# KiCad board Li-ion charger_panel.kicad_pcb (continued)
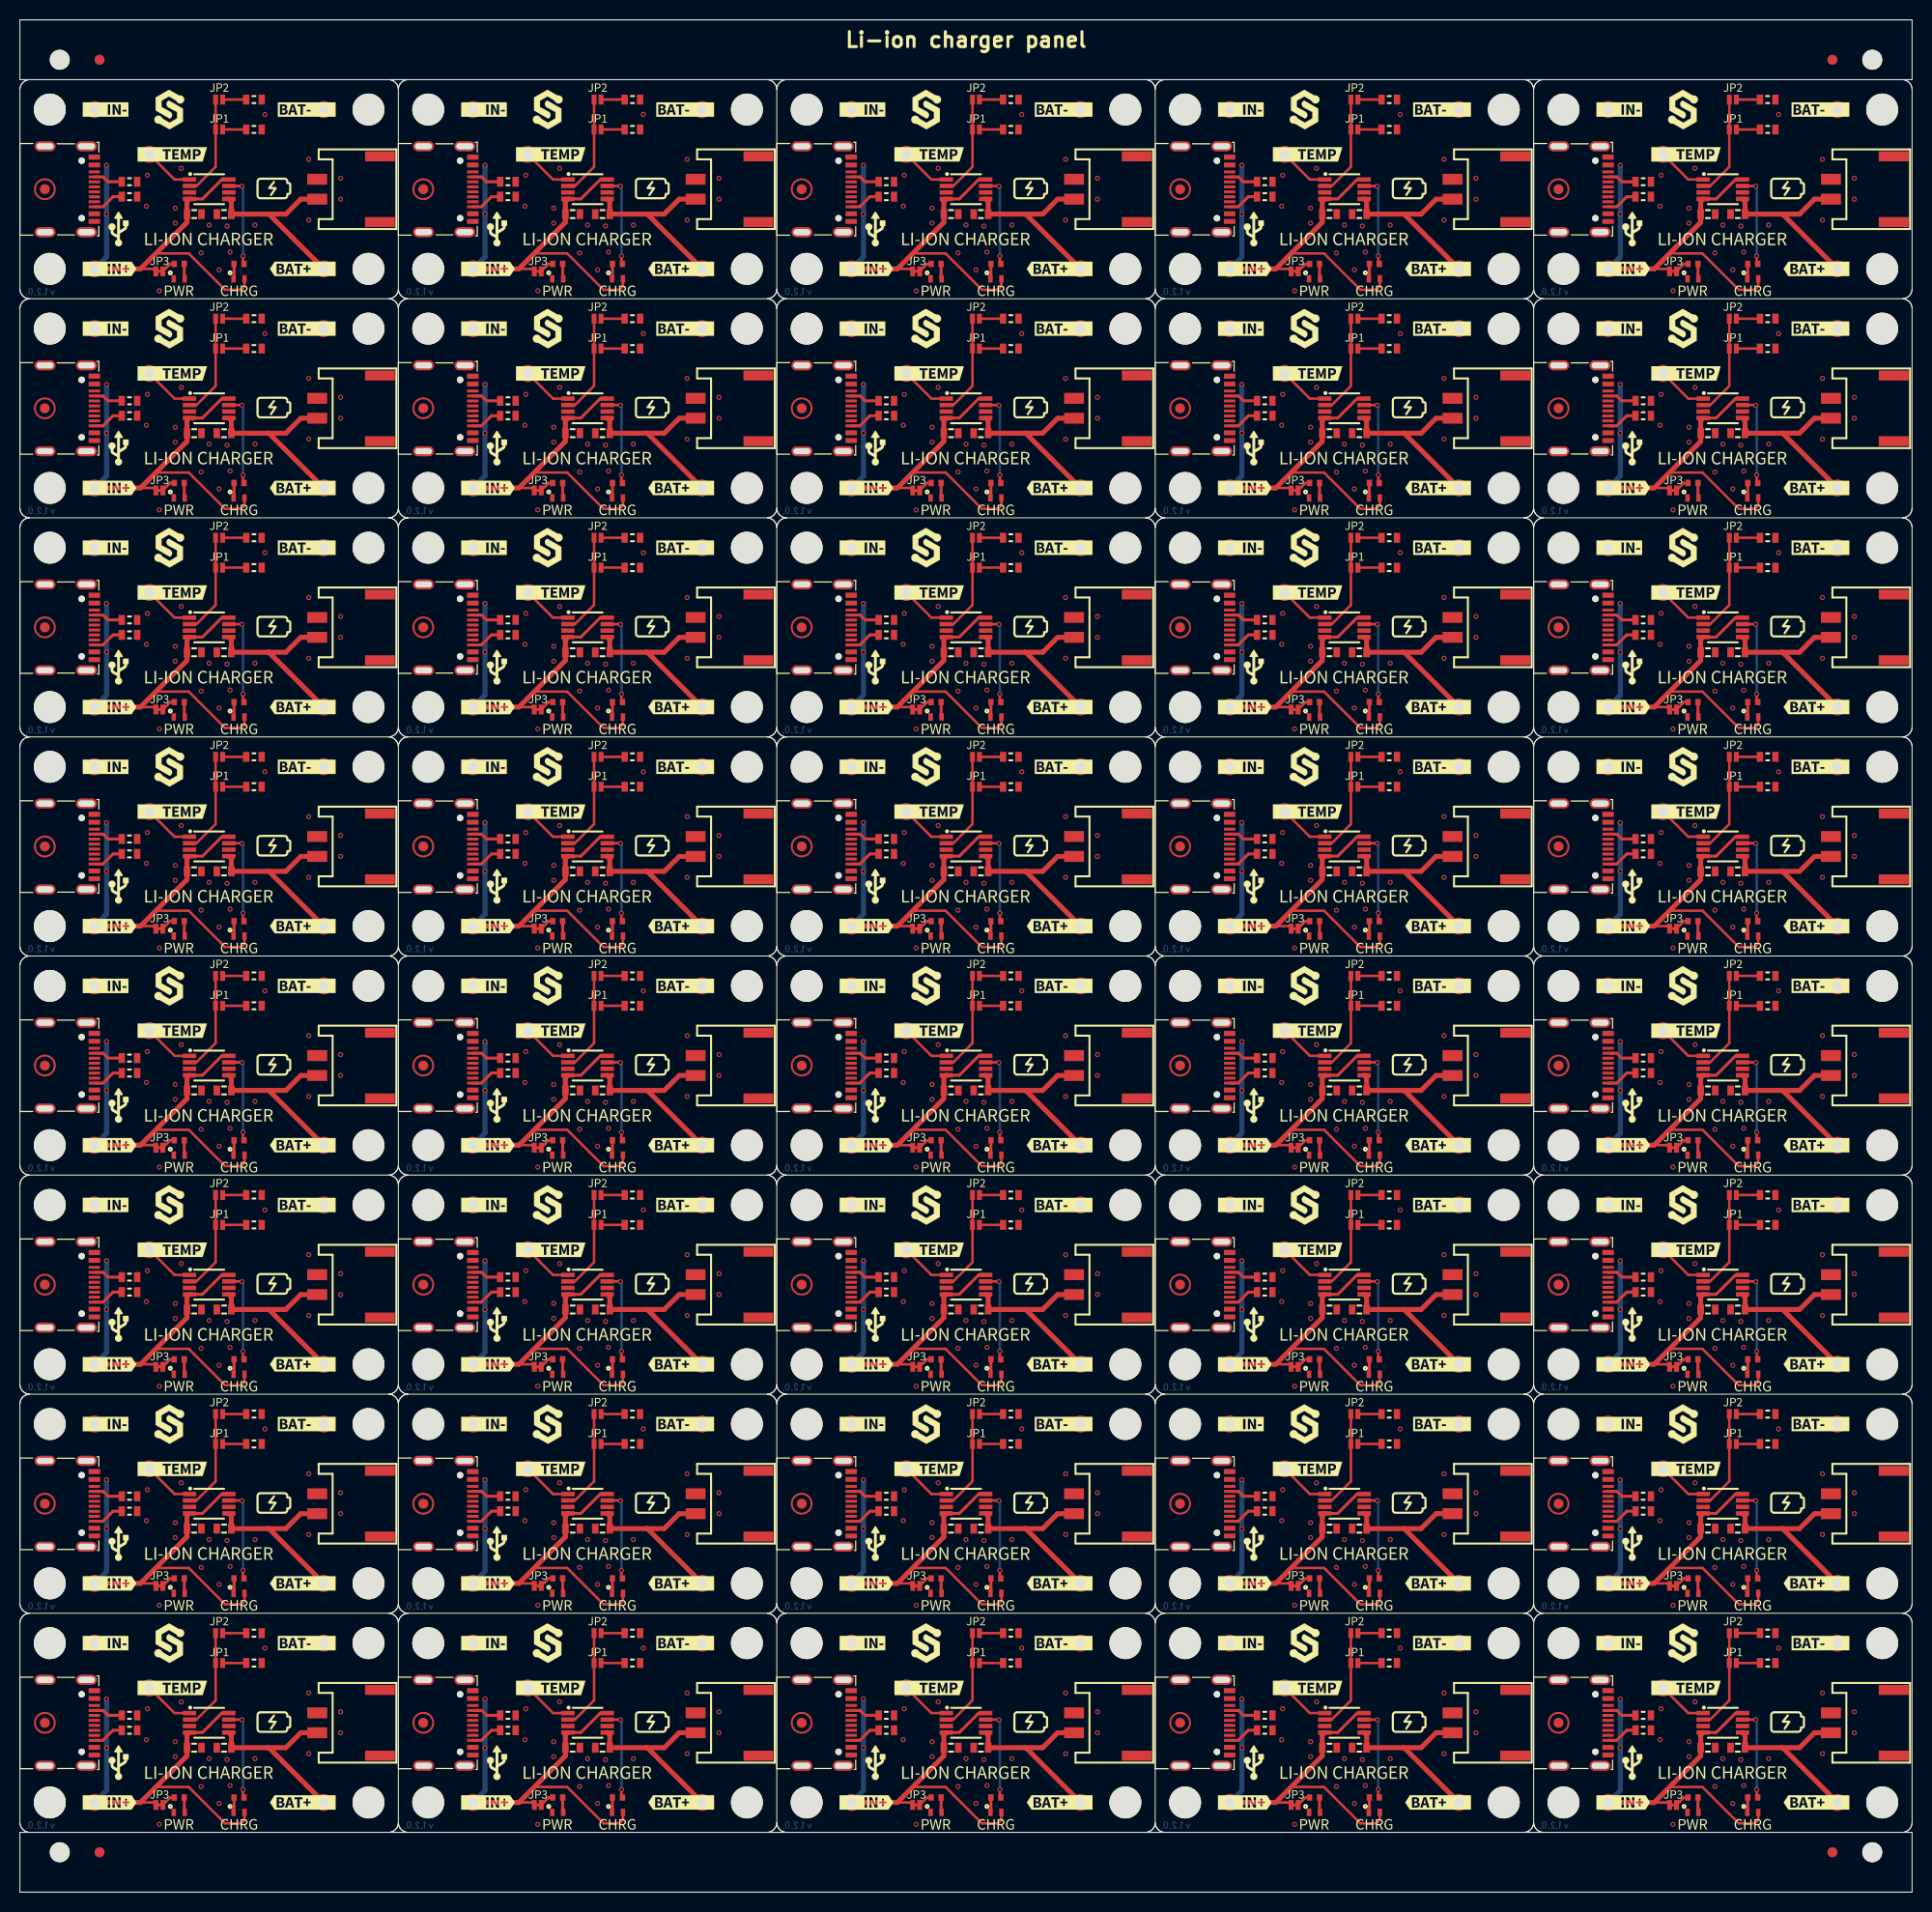
[diagram p0: board, top side]
## Routing (per net, layer and track width the routed paths; a pad name or vN(x,y) marks a point on that pad's centre or on a via; arc(x,y) is an arc through that point) (continued)
  Top w0.25: JP3#18.2 15.1,53.5 R6#34.1
Board_25-Net-(K1-PadA5): length 3
  Top w0.3: K1#28.A5 8.36,62.24 8.85,61.75 R2#8.1
Board_25-Net-(K1-PadB5): length 3.2
  Top w0.3: R1#28.1 9.35,60.25 8.34,59.24 K1#28.B5
Board_25-Net-(R5-Pad1): length 9.2
  Top w0.254: v1(22.3,61.3) 22.28,61.33 U1.7 ; v1(22.4,54.3) 22.4,53.6 R5#3.1
  Bottom w0.254: v1(22.3,61.3) 22.4,61.2 v1(22.4,54.3)
Board_25-PROG: length 10.2
  Top w0.254: JP2#14.2 JP1#8.2 19.65,63.25 17.73,61.33 U1.2
Board_25-TEMP: length 5.1
  Top w0.254: U1.1 15.53,61.98 K4#24.1
Board_25-VBAT: length 18.8
  Top w0.5: 24.9,58.5 26.7,58.5 28.2,60 K7#19.1 ; 24.9,58.5 25,58.5 K5#9.1 ; 24.9,58.5 C2#18.2 21.23,59.77 U1.5
Board_25-VUSB: length 42.3
  Top w0.25: JP3#18.1 13.4,53 12.1,53
  Top w0.254: D1#5.1 22.55,51.25 22.2,50.9 20.6,50.9 16.95,54.55 13.65,54.55
  Top w0.3: U1.8 20.28,61.98 18.33,60.03 U1.4
  Top w0.5: K2#20.1 12.1,53 16.77,57.67 C1#23.2 16.77,59.77 U1.4
  Bottom w0.5: v1(8.7,63.4) 8.7,54.2 K2#20.1
  vias: v1(8.7,58.5)
Board_26-GND:
  vias: v1(50.7,59.3) v1(50.8,62.4) v1(52,50.8) v1(53.6,59.1) v1(53.6,57.6) v1(54.2,63.1) v1(56.2,54.6) v1(57,57.4) v1(58,52.9) v1(58.8,57.3) v1(59.1,54.7) v1(61.6,57.4) v1(62.6,68.5) v1(67,64) v1(67,57.9) v1(70.2,62.1) v1(70.2,60)
Board_26-Net-(D1-Pad2): length 1.5
  Top w0.3: R5#14.2 59.5,52.05 D1#30.2
Board_26-Net-(D2-Pad1): length 1.5
  Top w0.3: R6#15.2 54.5,52.05 D2#18.1
Board_26-Net-(JP1-Pad1): length 2.4
  Top w0.254: JP1#16.1 R3#17.2
Board_26-Net-(JP2-Pad1): length 2.4
  Top w0.254: JP2#27.1 R4#24.2
Board_26-Net-(JP3-Pad2): length 1.5
  Top w0.25: JP3#11.2 53.1,53.5 R6#15.1
Board_26-Net-(K1-PadA5): length 3
  Top w0.3: K1#37.A5 46.36,62.24 46.85,61.75 R2#9.1
Board_26-Net-(K1-PadB5): length 3.2
  Top w0.3: K1#37.B5 46.34,59.24 47.35,60.25 R1#9.1
Board_26-Net-(R5-Pad1): length 9.2
  Top w0.254: v1(60.3,61.3) 60.28,61.33 U1#40.7 ; v1(60.4,54.3) 60.4,53.6 R5#14.1
  Bottom w0.254: v1(60.3,61.3) 60.4,61.2 v1(60.4,54.3)
Board_26-PROG: length 10.2
  Top w0.254: JP2#27.2 JP1#16.2 57.65,63.25 55.73,61.33 U1#40.2
Board_26-TEMP: length 5.1
  Top w0.254: U1#40.1 53.53,61.98 K4#36.1
Board_26-VBAT: length 18.8
  Top w0.5: 62.9,58.5 63,58.5 K5#39.1 ; 62.9,58.5 C2#21.2 59.23,59.77 U1#40.5 ; 62.9,58.5 64.7,58.5 66.2,60 K7#25.1
Board_26-VUSB: length 42.3
  Top w0.25: 50.1,53 51.4,53 JP3#11.1
  Top w0.254: D1#30.1 60.55,51.25 60.2,50.9 58.6,50.9 54.95,54.55 51.65,54.55
  Top w0.3: U1#40.8 58.28,61.98 56.33,60.03 U1#40.4
  Top w0.5: U1#40.4 54.77,59.77 C1#9.2 54.77,57.67 50.1,53 K2#35.1
  Bottom w0.5: K2#35.1 46.7,54.2 v1(46.7,63.4)
  vias: v1(46.7,58.5)
Board_27-GND:
  vias: v1(88.7,59.3) v1(88.8,62.4) v1(90,50.8) v1(91.6,59.1) v1(91.6,57.6) v1(92.2,63.1) v1(94.2,54.6) v1(95,57.4) v1(96,52.9) v1(96.8,57.3) v1(97.1,54.7) v1(99.6,57.4) v1(100.6,68.5) v1(105,64) v1(105,57.9) v1(108.2,62.1) v1(108.2,60)
Board_27-Net-(D1-Pad2): length 1.5
  Top w0.3: D1#2.2 97.5,52.05 R5#17.2
Board_27-Net-(D2-Pad1): length 1.5
  Top w0.3: R6#11.2 92.5,52.05 D2#24.1
Board_27-Net-(JP1-Pad1): length 2.4
  Top w0.254: JP1#3.1 R3#8.2
Board_27-Net-(JP2-Pad1): length 2.4
  Top w0.254: JP2#5.1 R4#40.2
Board_27-Net-(JP3-Pad2): length 1.5
  Top w0.25: JP3#28.2 91.1,53.5 R6#11.1
Board_27-Net-(K1-PadA5): length 3
  Top w0.3: R2#22.1 84.85,61.75 84.36,62.24 K1#31.A5
Board_27-Net-(K1-PadB5): length 3.2
  Top w0.3: R1#26.1 85.35,60.25 84.34,59.24 K1#31.B5
Board_27-Net-(R5-Pad1): length 9.2
  Top w0.254: R5#17.1 98.4,53.6 v1(98.4,54.3) ; v1(98.3,61.3) 98.28,61.33 U1#10.7
  Bottom w0.254: v1(98.3,61.3) 98.4,61.2 v1(98.4,54.3)
Board_27-PROG: length 10.2
  Top w0.254: JP2#5.2 JP1#3.2 95.65,63.25 93.73,61.33 U1#10.2
Board_27-TEMP: length 5.1
  Top w0.254: K4#28.1 91.53,61.98 U1#10.1
Board_27-VBAT: length 18.8
  Top w0.5: U1#10.5 97.23,59.77 C2#17.2 100.9,58.5 ; K5#23.1 101,58.5 100.9,58.5 ; K7#38.1 104.2,60 102.7,58.5 100.9,58.5
Board_27-VUSB: length 42.3
  Top w0.25: 88.1,53 89.4,53 JP3#28.1
  Top w0.254: D1#2.1 98.55,51.25 98.2,50.9 96.6,50.9 92.95,54.55 89.65,54.55
  Top w0.3: U1#10.8 96.28,61.98 94.33,60.03 U1#10.4
  Top w0.5: U1#10.4 92.77,59.77 C1#3.2 92.77,57.67 88.1,53 K2#2.1
  Bottom w0.5: K2#2.1 84.7,54.2 v1(84.7,63.4)
  vias: v1(84.7,58.5)
Board_28-GND:
  vias: v1(126.7,59.3) v1(126.8,62.4) v1(128,50.8) v1(129.6,59.1) v1(129.6,57.6) v1(130.2,63.1) v1(132.2,54.6) v1(133,57.4) v1(134,52.9) v1(134.8,57.3) v1(135.1,54.7) v1(137.6,57.4) v1(138.6,68.5) v1(143,64) v1(143,57.9) v1(146.2,62.1) v1(146.2,60)
Board_28-Net-(D1-Pad2): length 1.5
  Top w0.3: R5#32.2 135.5,52.05 D1#20.2
Board_28-Net-(D2-Pad1): length 1.5
  Top w0.3: D2#29.1 130.5,52.05 R6#24.2
Board_28-Net-(JP1-Pad1): length 2.4
  Top w0.254: JP1#11.1 R3#2.2
Board_28-Net-(JP2-Pad1): length 2.4
  Top w0.254: JP2#31.1 R4#2.2
Board_28-Net-(JP3-Pad2): length 1.5
  Top w0.25: R6#24.1 129.1,53.5 JP3.2
Board_28-Net-(K1-PadA5): length 3
  Top w0.3: K1#19.A5 122.36,62.24 122.85,61.75 R2#25.1
Board_28-Net-(K1-PadB5): length 3.2
  Top w0.3: K1#19.B5 122.34,59.24 123.35,60.25 R1#5.1
Board_28-Net-(R5-Pad1): length 9.2
  Top w0.254: v1(136.4,54.3) 136.4,53.6 R5#32.1 ; v1(136.3,61.3) 136.28,61.33 U1#7.7
  Bottom w0.254: v1(136.3,61.3) 136.4,61.2 v1(136.4,54.3)
Board_28-PROG: length 10.2
  Top w0.254: JP2#31.2 JP1#11.2 133.65,63.25 131.73,61.33 U1#7.2
Board_28-TEMP: length 5.1
  Top w0.254: K4#40.1 129.53,61.98 U1#7.1
Board_28-VBAT: length 18.8
  Top w0.5: U1#7.5 135.23,59.77 C2#2.2 138.9,58.5 ; K7#29.1 142.2,60 140.7,58.5 138.9,58.5 ; 138.9,58.5 139,58.5 K5#29.1
Board_28-VUSB: length 42.3
  Top w0.25: JP3.1 127.4,53 126.1,53
  Top w0.254: 127.65,54.55 130.95,54.55 134.6,50.9 136.2,50.9 136.55,51.25 D1#20.1
  Top w0.3: U1#7.4 132.33,60.03 134.28,61.98 U1#7.8
  Top w0.5: U1#7.4 130.77,59.77 C1#24.2 130.77,57.67 126.1,53 K2#4.1
  Bottom w0.5: v1(122.7,63.4) 122.7,54.2 K2#4.1
  vias: v1(122.7,58.5)
Board_29-GND:
  vias: v1(164.7,59.3) v1(164.8,62.4) v1(166,50.8) v1(167.6,59.1) v1(167.6,57.6) v1(168.2,63.1) v1(170.2,54.6) v1(171,57.4) v1(172,52.9) v1(172.8,57.3) v1(173.1,54.7) v1(175.6,57.4) v1(176.6,68.5) v1(181,64) v1(181,57.9) v1(184.2,62.1) v1(184.2,60)
Board_29-Net-(D1-Pad2): length 1.5
  Top w0.3: R5#8.2 173.5,52.05 D1#8.2
Board_29-Net-(D2-Pad1): length 1.5
  Top w0.3: D2#14.1 168.5,52.05 R6#33.2
Board_29-Net-(JP1-Pad1): length 2.4
  Top w0.254: JP1#15.1 R3#7.2
Board_29-Net-(JP2-Pad1): length 2.4
  Top w0.254: JP2#39.1 R4#9.2
Board_29-Net-(JP3-Pad2): length 1.5
  Top w0.25: JP3#22.2 167.1,53.5 R6#33.1
Board_29-Net-(K1-PadA5): length 3
  Top w0.3: R2#15.1 160.85,61.75 160.36,62.24 K1#32.A5
Board_29-Net-(K1-PadB5): length 3.2
  Top w0.3: R1#36.1 161.35,60.25 160.34,59.24 K1#32.B5
Board_29-Net-(R5-Pad1): length 9.2
  Top w0.254: R5#8.1 174.4,53.6 v1(174.4,54.3) ; v1(174.3,61.3) 174.28,61.33 U1#22.7
  Bottom w0.254: v1(174.4,54.3) 174.4,61.2 v1(174.3,61.3)
Board_29-PROG: length 10.2
  Top w0.254: U1#22.2 169.73,61.33 171.65,63.25 JP1#15.2 JP2#39.2
Board_29-TEMP: length 5.1
  Top w0.254: K4#31.1 167.53,61.98 U1#22.1
Board_29-VBAT: length 18.8
  Top w0.5: K7#33.1 180.2,60 178.7,58.5 176.9,58.5 ; 176.9,58.5 C2#6.2 173.23,59.77 U1#22.5 ; 176.9,58.5 177,58.5 K5#8.1
Board_29-VUSB: length 42.3
  Top w0.25: 164.1,53 165.4,53 JP3#22.1
  Top w0.254: D1#8.1 174.55,51.25 174.2,50.9 172.6,50.9 168.95,54.55 165.65,54.55
  Top w0.3: U1#22.8 172.28,61.98 170.33,60.03 U1#22.4
  Top w0.5: K2#10.1 164.1,53 168.77,57.67 C1#25.2 168.77,59.77 U1#22.4
  Bottom w0.5: K2#10.1 160.7,54.2 v1(160.7,63.4)
  vias: v1(160.7,58.5)
Board_30-GND:
  vias: v1(12.7,37.3) v1(12.8,40.4) v1(14,28.8) v1(15.6,37.1) v1(15.6,35.6) v1(16.2,41.1) v1(18.2,32.6) v1(19,35.4) v1(20,30.9) v1(20.8,35.3) v1(21.1,32.7) v1(23.6,35.4) v1(24.6,46.5) v1(29,42) v1(29,35.9) v1(32.2,40.1) v1(32.2,38)
Board_30-Net-(D1-Pad2): length 1.5
  Top w0.3: D1#13.2 21.5,30.05 R5.2
Board_30-Net-(D2-Pad1): length 1.5
  Top w0.3: R6#7.2 16.5,30.05 D2#32.1
Board_30-Net-(JP1-Pad1): length 2.4
  Top w0.254: JP1#36.1 R3#36.2
Board_30-Net-(JP2-Pad1): length 2.4
  Top w0.254: JP2#29.1 R4#27.2
Board_30-Net-(JP3-Pad2): length 1.5
  Top w0.25: JP3#8.2 15.1,31.5 R6#7.1
Board_30-Net-(K1-PadA5): length 3
  Top w0.3: R2#33.1 8.85,39.75 8.36,40.24 K1#36.A5
Board_30-Net-(K1-PadB5): length 3.2
  Top w0.3: R1#27.1 9.35,38.25 8.34,37.24 K1#36.B5
Board_30-Net-(R5-Pad1): length 9.2
  Top w0.254: R5.1 22.4,31.6 v1(22.4,32.3) ; U1#15.7 22.28,39.33 v1(22.3,39.3)
  Bottom w0.254: v1(22.4,32.3) 22.4,39.2 v1(22.3,39.3)
Board_30-PROG: length 10.2
  Top w0.254: JP2#29.2 JP1#36.2 19.65,41.25 17.73,39.33 U1#15.2
Board_30-TEMP: length 5.1
  Top w0.254: K4#14.1 15.53,39.98 U1#15.1
Board_30-VBAT: length 18.8
  Top w0.5: K5#14.1 25,36.5 24.9,36.5 ; 24.9,36.5 26.7,36.5 28.2,38 K7#35.1 ; 24.9,36.5 C2#7.2 21.23,37.77 U1#15.5
Board_30-VUSB: length 42.3
  Top w0.25: JP3#8.1 13.4,31 12.1,31
  Top w0.254: D1#13.1 22.55,29.25 22.2,28.9 20.6,28.9 16.95,32.55 13.65,32.55
  Top w0.3: U1#15.8 20.28,39.98 18.33,38.03 U1#15.4
  Top w0.5: U1#15.4 16.77,37.77 C1#8.2 16.77,35.67 12.1,31 K2#21.1
  Bottom w0.5: v1(8.7,41.4) 8.7,32.2 K2#21.1
  vias: v1(8.7,36.5)
Board_31-GND:
  vias: v1(50.7,37.3) v1(50.8,40.4) v1(52,28.8) v1(53.6,37.1) v1(53.6,35.6) v1(54.2,41.1) v1(56.2,32.6) v1(57,35.4) v1(58,30.9) v1(58.8,35.3) v1(59.1,32.7) v1(61.6,35.4) v1(62.6,46.5) v1(67,42) v1(67,35.9) v1(70.2,40.1) v1(70.2,38)
Board_31-Net-(D1-Pad2): length 1.5
  Top w0.3: D1#26.2 59.5,30.05 R5#28.2
Board_31-Net-(D2-Pad1): length 1.5
  Top w0.3: R6#17.2 54.5,30.05 D2#7.1
Board_31-Net-(JP1-Pad1): length 2.4
  Top w0.254: JP1#21.1 R3#39.2
Board_31-Net-(JP2-Pad1): length 2.4
  Top w0.254: JP2#30.1 R4#28.2
Board_31-Net-(JP3-Pad2): length 1.5
  Top w0.25: R6#17.1 53.1,31.5 JP3#33.2
Board_31-Net-(K1-PadA5): length 3
  Top w0.3: K1#30.A5 46.36,40.24 46.85,39.75 R2#5.1
Board_31-Net-(K1-PadB5): length 3.2
  Top w0.3: K1#30.B5 46.34,37.24 47.35,38.25 R1#16.1
Board_31-Net-(R5-Pad1): length 9.2
  Top w0.254: v1(60.3,39.3) 60.28,39.33 U1#12.7 ; R5#28.1 60.4,31.6 v1(60.4,32.3)
  Bottom w0.254: v1(60.4,32.3) 60.4,39.2 v1(60.3,39.3)
Board_31-PROG: length 10.2
  Top w0.254: JP2#30.2 JP1#21.2 57.65,41.25 55.73,39.33 U1#12.2
Board_31-TEMP: length 5.1
  Top w0.254: U1#12.1 53.53,39.98 K4.1
Board_31-VBAT: length 18.8
  Top w0.5: K5#15.1 63,36.5 62.9,36.5 ; U1#12.5 59.23,37.77 C2#36.2 62.9,36.5 ; 62.9,36.5 64.7,36.5 66.2,38 K7#24.1
Board_31-VUSB: length 42.3
  Top w0.25: 50.1,31 51.4,31 JP3#33.1
  Top w0.254: 51.65,32.55 54.95,32.55 58.6,28.9 60.2,28.9 60.55,29.25 D1#26.1
  Top w0.3: U1#12.4 56.33,38.03 58.28,39.98 U1#12.8
  Top w0.5: U1#12.4 54.77,37.77 C1#40.2 54.77,35.67 50.1,31 K2#11.1
  Bottom w0.5: K2#11.1 46.7,32.2 v1(46.7,41.4)
  vias: v1(46.7,36.5)
Board_32-GND:
  vias: v1(88.7,37.3) v1(88.8,40.4) v1(90,28.8) v1(91.6,37.1) v1(91.6,35.6) v1(92.2,41.1) v1(94.2,32.6) v1(95,35.4) v1(96,30.9) v1(96.8,35.3) v1(97.1,32.7) v1(99.6,35.4) v1(100.6,46.5) v1(105,42) v1(105,35.9) v1(108.2,40.1) v1(108.2,38)
Board_32-Net-(D1-Pad2): length 1.5
  Top w0.3: R5#27.2 97.5,30.05 D1#7.2
Board_32-Net-(D2-Pad1): length 1.5
  Top w0.3: D2#35.1 92.5,30.05 R6#8.2
Board_32-Net-(JP1-Pad1): length 2.4
  Top w0.254: JP1#35.1 R3#20.2
Board_32-Net-(JP2-Pad1): length 2.4
  Top w0.254: JP2#23.1 R4#25.2
Board_32-Net-(JP3-Pad2): length 1.5
  Top w0.25: R6#8.1 91.1,31.5 JP3#37.2
Board_32-Net-(K1-PadA5): length 3
  Top w0.3: K1#5.A5 84.36,40.24 84.85,39.75 R2#35.1
Board_32-Net-(K1-PadB5): length 3.2
  Top w0.3: K1#5.B5 84.34,37.24 85.35,38.25 R1#39.1
Board_32-Net-(R5-Pad1): length 9.2
  Top w0.254: U1#20.7 98.28,39.33 v1(98.3,39.3) ; v1(98.4,32.3) 98.4,31.6 R5#27.1
  Bottom w0.254: v1(98.4,32.3) 98.4,39.2 v1(98.3,39.3)
Board_32-PROG: length 10.2
  Top w0.254: JP2#23.2 JP1#35.2 95.65,41.25 93.73,39.33 U1#20.2
Board_32-TEMP: length 5.1
  Top w0.254: U1#20.1 91.53,39.98 K4#6.1
Board_32-VBAT: length 18.8
  Top w0.5: K7#10.1 104.2,38 102.7,36.5 100.9,36.5 ; 100.9,36.5 C2#33.2 97.23,37.77 U1#20.5 ; 100.9,36.5 101,36.5 K5#16.1
Board_32-VUSB: length 42.3
  Top w0.25: JP3#37.1 89.4,31 88.1,31
  Top w0.254: 89.65,32.55 92.95,32.55 96.6,28.9 98.2,28.9 98.55,29.25 D1#7.1
  Top w0.3: U1#20.8 96.28,39.98 94.33,38.03 U1#20.4
  Top w0.5: K2#12.1 88.1,31 92.77,35.67 C1#4.2 92.77,37.77 U1#20.4
  Bottom w0.5: K2#12.1 84.7,32.2 v1(84.7,41.4)
  vias: v1(84.7,36.5)
Board_33-GND:
  vias: v1(126.7,37.3) v1(126.8,40.4) v1(128,28.8) v1(129.6,37.1) v1(129.6,35.6) v1(130.2,41.1) v1(132.2,32.6) v1(133,35.4) v1(134,30.9) v1(134.8,35.3) v1(135.1,32.7) v1(137.6,35.4) v1(138.6,46.5) v1(143,42) v1(143,35.9) v1(146.2,40.1) v1(146.2,38)
Board_33-Net-(D1-Pad2): length 1.5
  Top w0.3: D1#31.2 135.5,30.05 R5#33.2
Board_33-Net-(D2-Pad1): length 1.5
  Top w0.3: R6#19.2 130.5,30.05 D2#28.1
Board_33-Net-(JP1-Pad1): length 2.4
  Top w0.254: JP1#39.1 R3#35.2
Board_33-Net-(JP2-Pad1): length 2.4
  Top w0.254: JP2#3.1 R4#16.2
Board_33-Net-(JP3-Pad2): length 1.5
  Top w0.25: R6#19.1 129.1,31.5 JP3#40.2
Board_33-Net-(K1-PadA5): length 3
  Top w0.3: K1#16.A5 122.36,40.24 122.85,39.75 R2#31.1
Board_33-Net-(K1-PadB5): length 3.2
  Top w0.3: R1#2.1 123.35,38.25 122.34,37.24 K1#16.B5
Board_33-Net-(R5-Pad1): length 9.2
  Top w0.254: v1(136.3,39.3) 136.28,39.33 U1#38.7 ; R5#33.1 136.4,31.6 v1(136.4,32.3)
  Bottom w0.254: v1(136.3,39.3) 136.4,39.2 v1(136.4,32.3)
Board_33-PROG: length 10.2
  Top w0.254: JP2#3.2 JP1#39.2 133.65,41.25 131.73,39.33 U1#38.2
Board_33-TEMP: length 5.1
  Top w0.254: U1#38.1 129.53,39.98 K4#25.1
Board_33-VBAT: length 18.8
  Top w0.5: 138.9,36.5 140.7,36.5 142.2,38 K7#2.1 ; 138.9,36.5 C2.2 135.23,37.77 U1#38.5 ; 138.9,36.5 139,36.5 K5#30.1
Board_33-VUSB: length 42.3
  Top w0.25: JP3#40.1 127.4,31 126.1,31
  Top w0.254: D1#31.1 136.55,29.25 136.2,28.9 134.6,28.9 130.95,32.55 127.65,32.55
  Top w0.3: U1#38.4 132.33,38.03 134.28,39.98 U1#38.8
  Top w0.5: K2#19.1 126.1,31 130.77,35.67 C1#36.2 130.77,37.77 U1#38.4
  Bottom w0.5: K2#19.1 122.7,32.2 v1(122.7,41.4)
  vias: v1(122.7,36.5)
Board_34-GND:
  vias: v1(164.7,37.3) v1(164.8,40.4) v1(166,28.8) v1(167.6,37.1) v1(167.6,35.6) v1(168.2,41.1) v1(170.2,32.6) v1(171,35.4) v1(172,30.9) v1(172.8,35.3) v1(173.1,32.7) v1(175.6,35.4) v1(176.6,46.5) v1(181,42) v1(181,35.9) v1(184.2,40.1) v1(184.2,38)
Board_34-Net-(D1-Pad2): length 1.5
  Top w0.3: D1#34.2 173.5,30.05 R5#35.2
Board_34-Net-(D2-Pad1): length 1.5
  Top w0.3: D2#19.1 168.5,30.05 R6#26.2
Board_34-Net-(JP1-Pad1): length 2.4
  Top w0.254: JP1#9.1 R3#9.2
Board_34-Net-(JP2-Pad1): length 2.4
  Top w0.254: JP2#17.1 R4.2
Board_34-Net-(JP3-Pad2): length 1.5
  Top w0.25: R6#26.1 167.1,31.5 JP3#38.2
Board_34-Net-(K1-PadA5): length 3
  Top w0.3: R2.1 160.85,39.75 160.36,40.24 K1#20.A5
Board_34-Net-(K1-PadB5): length 3.2
  Top w0.3: K1#20.B5 160.34,37.24 161.35,38.25 R1#6.1
Board_34-Net-(R5-Pad1): length 9.2
  Top w0.254: R5#35.1 174.4,31.6 v1(174.4,32.3) ; v1(174.3,39.3) 174.28,39.33 U1#37.7
  Bottom w0.254: v1(174.3,39.3) 174.4,39.2 v1(174.4,32.3)
Board_34-PROG: length 10.2
  Top w0.254: U1#37.2 169.73,39.33 171.65,41.25 JP1#9.2 JP2#17.2
Board_34-TEMP: length 5.1
  Top w0.254: K4#21.1 167.53,39.98 U1#37.1
Board_34-VBAT: length 18.8
  Top w0.5: 176.9,36.5 177,36.5 K5#24.1 ; 176.9,36.5 178.7,36.5 180.2,38 K7#6.1 ; 176.9,36.5 C2#4.2 173.23,37.77 U1#37.5
Board_34-VUSB: length 42.3
  Top w0.25: 164.1,31 165.4,31 JP3#38.1
  Top w0.254: D1#34.1 174.55,29.25 174.2,28.9 172.6,28.9 168.95,32.55 165.65,32.55
  Top w0.3: U1#37.8 172.28,39.98 170.33,38.03 U1#37.4
  Top w0.5: K2#29.1 164.1,31 168.77,35.67 C1#27.2 168.77,37.77 U1#37.4
  Bottom w0.5: K2#29.1 160.7,32.2 v1(160.7,41.4)
  vias: v1(160.7,36.5)
Board_35-GND:
  vias: v1(12.7,15.3) v1(12.8,18.4) v1(14,6.8) v1(15.6,15.1) v1(15.6,13.6) v1(16.2,19.1) v1(18.2,10.6) v1(19,13.4) v1(20,8.9) v1(20.8,13.3) v1(21.1,10.7) v1(23.6,13.4) v1(24.6,24.5) v1(29,20) v1(29,13.9) v1(32.2,18.1) v1(32.2,16)
Board_35-Net-(D1-Pad2): length 1.5
  Top w0.3: D1#40.2 21.5,8.05 R5#26.2
Board_35-Net-(D2-Pad1): length 1.5
  Top w0.3: R6#36.2 16.5,8.05 D2#38.1
Board_35-Net-(JP1-Pad1): length 2.4
  Top w0.254: JP1#6.1 R3#11.2
Board_35-Net-(JP2-Pad1): length 2.4
  Top w0.254: JP2#37.1 R4#31.2
Board_35-Net-(JP3-Pad2): length 1.5
  Top w0.25: R6#36.1 15.1,9.5 JP3#20.2
Board_35-Net-(K1-PadA5): length 3
  Top w0.3: R2#13.1 8.85,17.75 8.36,18.24 K1#29.A5
Board_35-Net-(K1-PadB5): length 3.2
  Top w0.3: K1#29.B5 8.34,15.24 9.35,16.25 R1#3.1
Board_35-Net-(R5-Pad1): length 9.2
  Top w0.254: v1(22.3,17.3) 22.28,17.32 U1#11.7 ; R5#26.1 22.4,9.6 v1(22.4,10.3)
  Bottom w0.254: v1(22.4,10.3) 22.4,17.2 v1(22.3,17.3)
Board_35-PROG: length 10.2
  Top w0.254: U1#11.2 17.73,17.32 19.65,19.25 JP1#6.2 JP2#37.2
Board_35-TEMP: length 5.1
  Top w0.254: U1#11.1 15.53,17.97 K4#22.1
Board_35-VBAT: length 18.8
  Top w0.5: K5#37.1 25,14.5 24.9,14.5 ; K7#9.1 28.2,16 26.7,14.5 24.9,14.5 ; 24.9,14.5 C2#11.2 21.23,15.77 U1#11.5
Board_35-VUSB: length 42.3
  Top w0.25: JP3#20.1 13.4,9 12.1,9
  Top w0.254: 13.65,10.55 16.95,10.55 20.6,6.9 22.2,6.9 22.55,7.25 D1#40.1
  Top w0.3: U1#11.4 18.33,16.02 20.28,17.97 U1#11.8
  Top w0.5: K2#32.1 12.1,9 16.77,13.67 C1#35.2 16.77,15.77 U1#11.4
  Bottom w0.5: v1(8.7,19.4) 8.7,10.2 K2#32.1
  vias: v1(8.7,14.5)
Board_36-GND:
  vias: v1(50.7,15.3) v1(50.8,18.4) v1(52,6.8) v1(53.6,15.1) v1(53.6,13.6) v1(54.2,19.1) v1(56.2,10.6) v1(57,13.4) v1(58,8.9) v1(58.8,13.3) v1(59.1,10.7) v1(61.6,13.4) v1(62.6,24.5) v1(67,20) v1(67,13.9) v1(70.2,18.1) v1(70.2,16)
Board_36-Net-(D1-Pad2): length 1.5
  Top w0.3: D1#9.2 59.5,8.05 R5#25.2
Board_36-Net-(D2-Pad1): length 1.5
  Top w0.3: D2#39.1 54.5,8.05 R6#16.2
Board_36-Net-(JP1-Pad1): length 2.4
  Top w0.254: JP1#13.1 R3#26.2
Board_36-Net-(JP2-Pad1): length 2.4
  Top w0.254: JP2#6.1 R4#13.2
Board_36-Net-(JP3-Pad2): length 1.5
  Top w0.25: JP3#15.2 53.1,9.5 R6#16.1
Board_36-Net-(K1-PadA5): length 3
  Top w0.3: R2#24.1 46.85,17.75 46.36,18.24 K1#38.A5
Board_36-Net-(K1-PadB5): length 3.2
  Top w0.3: K1#38.B5 46.34,15.24 47.35,16.25 R1#15.1
Board_36-Net-(R5-Pad1): length 9.2
  Top w0.254: U1#4.7 60.28,17.32 v1(60.3,17.3) ; v1(60.4,10.3) 60.4,9.6 R5#25.1
  Bottom w0.254: v1(60.3,17.3) 60.4,17.2 v1(60.4,10.3)
Board_36-PROG: length 10.2
  Top w0.254: JP2#6.2 JP1#13.2 57.65,19.25 55.73,17.32 U1#4.2
Board_36-TEMP: length 5.1
  Top w0.254: K4#27.1 53.53,17.97 U1#4.1
Board_36-VBAT: length 18.8
  Top w0.5: 62.9,14.5 63,14.5 K5#12.1 ; 62.9,14.5 64.7,14.5 66.2,16 K7#32.1 ; 62.9,14.5 C2#3.2 59.23,15.77 U1#4.5
Board_36-VUSB: length 42.3
  Top w0.25: 50.1,9 51.4,9 JP3#15.1
  Top w0.254: 51.65,10.55 54.95,10.55 58.6,6.9 60.2,6.9 60.55,7.25 D1#9.1
  Top w0.3: U1#4.4 56.33,16.02 58.28,17.97 U1#4.8
  Top w0.5: U1#4.4 54.77,15.77 C1#2.2 54.77,13.67 50.1,9 K2#25.1
  Bottom w0.5: v1(46.7,19.4) 46.7,10.2 K2#25.1
  vias: v1(46.7,14.5)
Board_37-GND:
  vias: v1(88.7,15.3) v1(88.8,18.4) v1(90,6.8) v1(91.6,15.1) v1(91.6,13.6) v1(92.2,19.1) v1(94.2,10.6) v1(95,13.4) v1(96,8.9) v1(96.8,13.3) v1(97.1,10.7) v1(99.6,13.4) v1(100.6,24.5) v1(105,20) v1(105,13.9) v1(108.2,18.1) v1(108.2,16)
Board_37-Net-(D1-Pad2): length 1.5
  Top w0.3: R5#23.2 97.5,8.05 D1#35.2
Board_37-Net-(D2-Pad1): length 1.5
  Top w0.3: D2#16.1 92.5,8.05 R6#21.2
Board_37-Net-(JP1-Pad1): length 2.4
  Top w0.254: JP1#38.1 R3#16.2
Board_37-Net-(JP2-Pad1): length 2.4
  Top w0.254: JP2#20.1 R4#23.2
Board_37-Net-(JP3-Pad2): length 1.5
  Top w0.25: JP3#30.2 91.1,9.5 R6#21.1
Board_37-Net-(K1-PadA5): length 3
  Top w0.3: R2#39.1 84.85,17.75 84.36,18.24 K1#11.A5
Board_37-Net-(K1-PadB5): length 3.2
  Top w0.3: R1#7.1 85.35,16.25 84.34,15.24 K1#11.B5
Board_37-Net-(R5-Pad1): length 9.2
  Top w0.254: v1(98.4,10.3) 98.4,9.6 R5#23.1 ; U1#35.7 98.28,17.32 v1(98.3,17.3)
  Bottom w0.254: v1(98.3,17.3) 98.4,17.2 v1(98.4,10.3)
Board_37-PROG: length 10.2
  Top w0.254: U1#35.2 93.73,17.32 95.65,19.25 JP1#38.2 JP2#20.2
Board_37-TEMP: length 5.1
  Top w0.254: K4#11.1 91.53,17.97 U1#35.1
Board_37-VBAT: length 18.8
  Top w0.5: K7#18.1 104.2,16 102.7,14.5 100.9,14.5 ; 100.9,14.5 101,14.5 K5#20.1 ; 100.9,14.5 C2#35.2 97.23,15.77 U1#35.5
Board_37-VUSB: length 42.3
  Top w0.25: 88.1,9 89.4,9 JP3#30.1
  Top w0.254: D1#35.1 98.55,7.25 98.2,6.9 96.6,6.9 92.95,10.55 89.65,10.55
  Top w0.3: U1#35.4 94.33,16.02 96.28,17.97 U1#35.8
  Top w0.5: K2#30.1 88.1,9 92.77,13.67 C1#31.2 92.77,15.77 U1#35.4
  Bottom w0.5: v1(84.7,19.4) 84.7,10.2 K2#30.1
  vias: v1(84.7,14.5)
Board_38-GND:
  vias: v1(126.7,15.3) v1(126.8,18.4) v1(128,6.8) v1(129.6,15.1) v1(129.6,13.6) v1(130.2,19.1) v1(132.2,10.6) v1(133,13.4) v1(134,8.9) v1(134.8,13.3) v1(135.1,10.7) v1(137.6,13.4) v1(138.6,24.5) v1(143,20) v1(143,13.9) v1(146.2,18.1) v1(146.2,16)
Board_38-Net-(D1-Pad2): length 1.5
  Top w0.3: D1#32.2 135.5,8.05 R5#38.2
Board_38-Net-(D2-Pad1): length 1.5
  Top w0.3: D2#3.1 130.5,8.05 R6#35.2
Board_38-Net-(JP1-Pad1): length 2.4
  Top w0.254: JP1#14.1 R3#40.2
Board_38-Net-(JP2-Pad1): length 2.4
  Top w0.254: JP2#38.1 R4#18.2
Board_38-Net-(JP3-Pad2): length 1.5
  Top w0.25: JP3#3.2 129.1,9.5 R6#35.1
Board_38-Net-(K1-PadA5): length 3
  Top w0.3: K1#39.A5 122.36,18.24 122.85,17.75 R2#11.1
Board_38-Net-(K1-PadB5): length 3.2
  Top w0.3: R1#32.1 123.35,16.25 122.34,15.24 K1#39.B5
Board_38-Net-(R5-Pad1): length 9.2
  Top w0.254: R5#38.1 136.4,9.6 v1(136.4,10.3) ; v1(136.3,17.3) 136.28,17.32 U1#25.7
  Bottom w0.254: v1(136.3,17.3) 136.4,17.2 v1(136.4,10.3)
Board_38-PROG: length 10.2
  Top w0.254: JP2#38.2 JP1#14.2 133.65,19.25 131.73,17.32 U1#25.2
Board_38-TEMP: length 5.1
  Top w0.254: K4#4.1 129.53,17.97 U1#25.1
Board_38-VBAT: length 18.8
  Top w0.5: K5#7.1 139,14.5 138.9,14.5 ; 138.9,14.5 C2#14.2 135.23,15.77 U1#25.5 ; 138.9,14.5 140.7,14.5 142.2,16 K7#26.1
Board_38-VUSB: length 42.3
  Top w0.25: JP3#3.1 127.4,9 126.1,9
  Top w0.254: D1#32.1 136.55,7.25 136.2,6.9 134.6,6.9 130.95,10.55 127.65,10.55
  Top w0.3: U1#25.4 132.33,16.02 134.28,17.97 U1#25.8
  Top w0.5: U1#25.4 130.77,15.77 C1#22.2 130.77,13.67 126.1,9 K2#31.1
  Bottom w0.5: K2#31.1 122.7,10.2 v1(122.7,19.4)
  vias: v1(122.7,14.5)
Board_39-GND:
  vias: v1(164.7,15.3) v1(164.8,18.4) v1(166,6.8) v1(167.6,15.1) v1(167.6,13.6) v1(168.2,19.1) v1(170.2,10.6) v1(171,13.4) v1(172,8.9) v1(172.8,13.3) v1(173.1,10.7) v1(175.6,13.4) v1(176.6,24.5) v1(181,20) v1(181,13.9) v1(184.2,18.1) v1(184.2,16)
Board_39-Net-(D1-Pad2): length 1.5
  Top w0.3: R5#10.2 173.5,8.05 D1#24.2
Board_39-Net-(D2-Pad1): length 1.5
  Top w0.3: D2#12.1 168.5,8.05 R6#37.2
Board_39-Net-(JP1-Pad1): length 2.4
  Top w0.254: JP1#34.1 R3#13.2
Board_39-Net-(JP2-Pad1): length 2.4
  Top w0.254: JP2#24.1 R4#36.2
Board_39-Net-(JP3-Pad2): length 1.5
  Top w0.25: R6#37.1 167.1,9.5 JP3#39.2
Board_39-Net-(K1-PadA5): length 3
  Top w0.3: R2#29.1 160.85,17.75 160.36,18.24 K1#18.A5
Board_39-Net-(K1-PadB5): length 3.2
  Top w0.3: K1#18.B5 160.34,15.24 161.35,16.25 R1#24.1
Board_39-Net-(R5-Pad1): length 9.2
  Top w0.254: v1(174.4,10.3) 174.4,9.6 R5#10.1 ; v1(174.3,17.3) 174.28,17.32 U1#36.7
  Bottom w0.254: v1(174.3,17.3) 174.4,17.2 v1(174.4,10.3)
Board_39-PROG: length 10.2
  Top w0.254: JP2#24.2 JP1#34.2 171.65,19.25 169.73,17.32 U1#36.2
Board_39-TEMP: length 5.1
  Top w0.254: K4#38.1 167.53,17.97 U1#36.1
Board_39-VBAT: length 18.8
  Top w0.5: 176.9,14.5 177,14.5 K5#34.1 ; 176.9,14.5 C2#20.2 173.23,15.77 U1#36.5 ; 176.9,14.5 178.7,14.5 180.2,16 K7#30.1
Board_39-VUSB: length 42.3
  Top w0.25: 164.1,9 165.4,9 JP3#39.1
  Top w0.254: 165.65,10.55 168.95,10.55 172.6,6.9 174.2,6.9 174.55,7.25 D1#24.1
  Top w0.3: U1#36.8 172.28,17.97 170.33,16.02 U1#36.4
  Top w0.5: K2#26.1 164.1,9 168.77,13.67 C1#15.2 168.77,15.77 U1#36.4
  Bottom w0.5: v1(160.7,19.4) 160.7,10.2 K2#26.1
  vias: v1(160.7,14.5)

## Copper pours and planes (outline as drawn; the poured copper is in the pictures)
Board_0-GND on Top, Bottom: 0,160 0,182 38,182 38,160
Board_0-VUSB on Top: 8.8,168.2 6.9,168.2 6.9,168.9 8.8,168.9 9,168.7 9,168.4
Board_0-VUSB on Top: 8.8,173.1 6.9,173.1 6.9,173.8 8.8,173.8 9,173.6 9,173.3
Board_1-GND on Top, Bottom: 38,160 38,182 76,182 76,160
Board_1-VUSB on Top: 46.8,168.2 44.9,168.2 44.9,168.9 46.8,168.9 47,168.7 47,168.4
Board_1-VUSB on Top: 46.8,173.1 44.9,173.1 44.9,173.8 46.8,173.8 47,173.6 47,173.3
Board_2-GND on Top, Bottom: 76,160 76,182 114,182 114,160
Board_2-VUSB on Top: 84.8,173.1 82.9,173.1 82.9,173.8 84.8,173.8 85,173.6 85,173.3
Board_2-VUSB on Top: 84.8,168.2 82.9,168.2 82.9,168.9 84.8,168.9 85,168.7 85,168.4
Board_3-GND on Top, Bottom: 114,160 114,182 152,182 152,160
Board_3-VUSB on Top: 122.8,168.2 120.9,168.2 120.9,168.9 122.8,168.9 123,168.7 123,168.4
Board_3-VUSB on Top: 122.8,173.1 120.9,173.1 120.9,173.8 122.8,173.8 123,173.6 123,173.3
Board_4-GND on Top, Bottom: 152,160 152,182 190,182 190,160
Board_4-VUSB on Top: 160.8,168.2 158.9,168.2 158.9,168.9 160.8,168.9 161,168.7 161,168.4
Board_4-VUSB on Top: 160.8,173.1 158.9,173.1 158.9,173.8 160.8,173.8 161,173.6 161,173.3
Board_5-GND on Top, Bottom: 0,138 0,160 38,160 38,138
Board_5-VUSB on Top: 8.8,151.1 6.9,151.1 6.9,151.8 8.8,151.8 9,151.6 9,151.3
Board_5-VUSB on Top: 8.8,146.2 6.9,146.2 6.9,146.9 8.8,146.9 9,146.7 9,146.4
Board_6-GND on Top, Bottom: 38,138 38,160 76,160 76,138
Board_6-VUSB on Top: 46.8,151.1 44.9,151.1 44.9,151.8 46.8,151.8 47,151.6 47,151.3
